# Allegro board 6089-119-RevA_41.brd (continued)
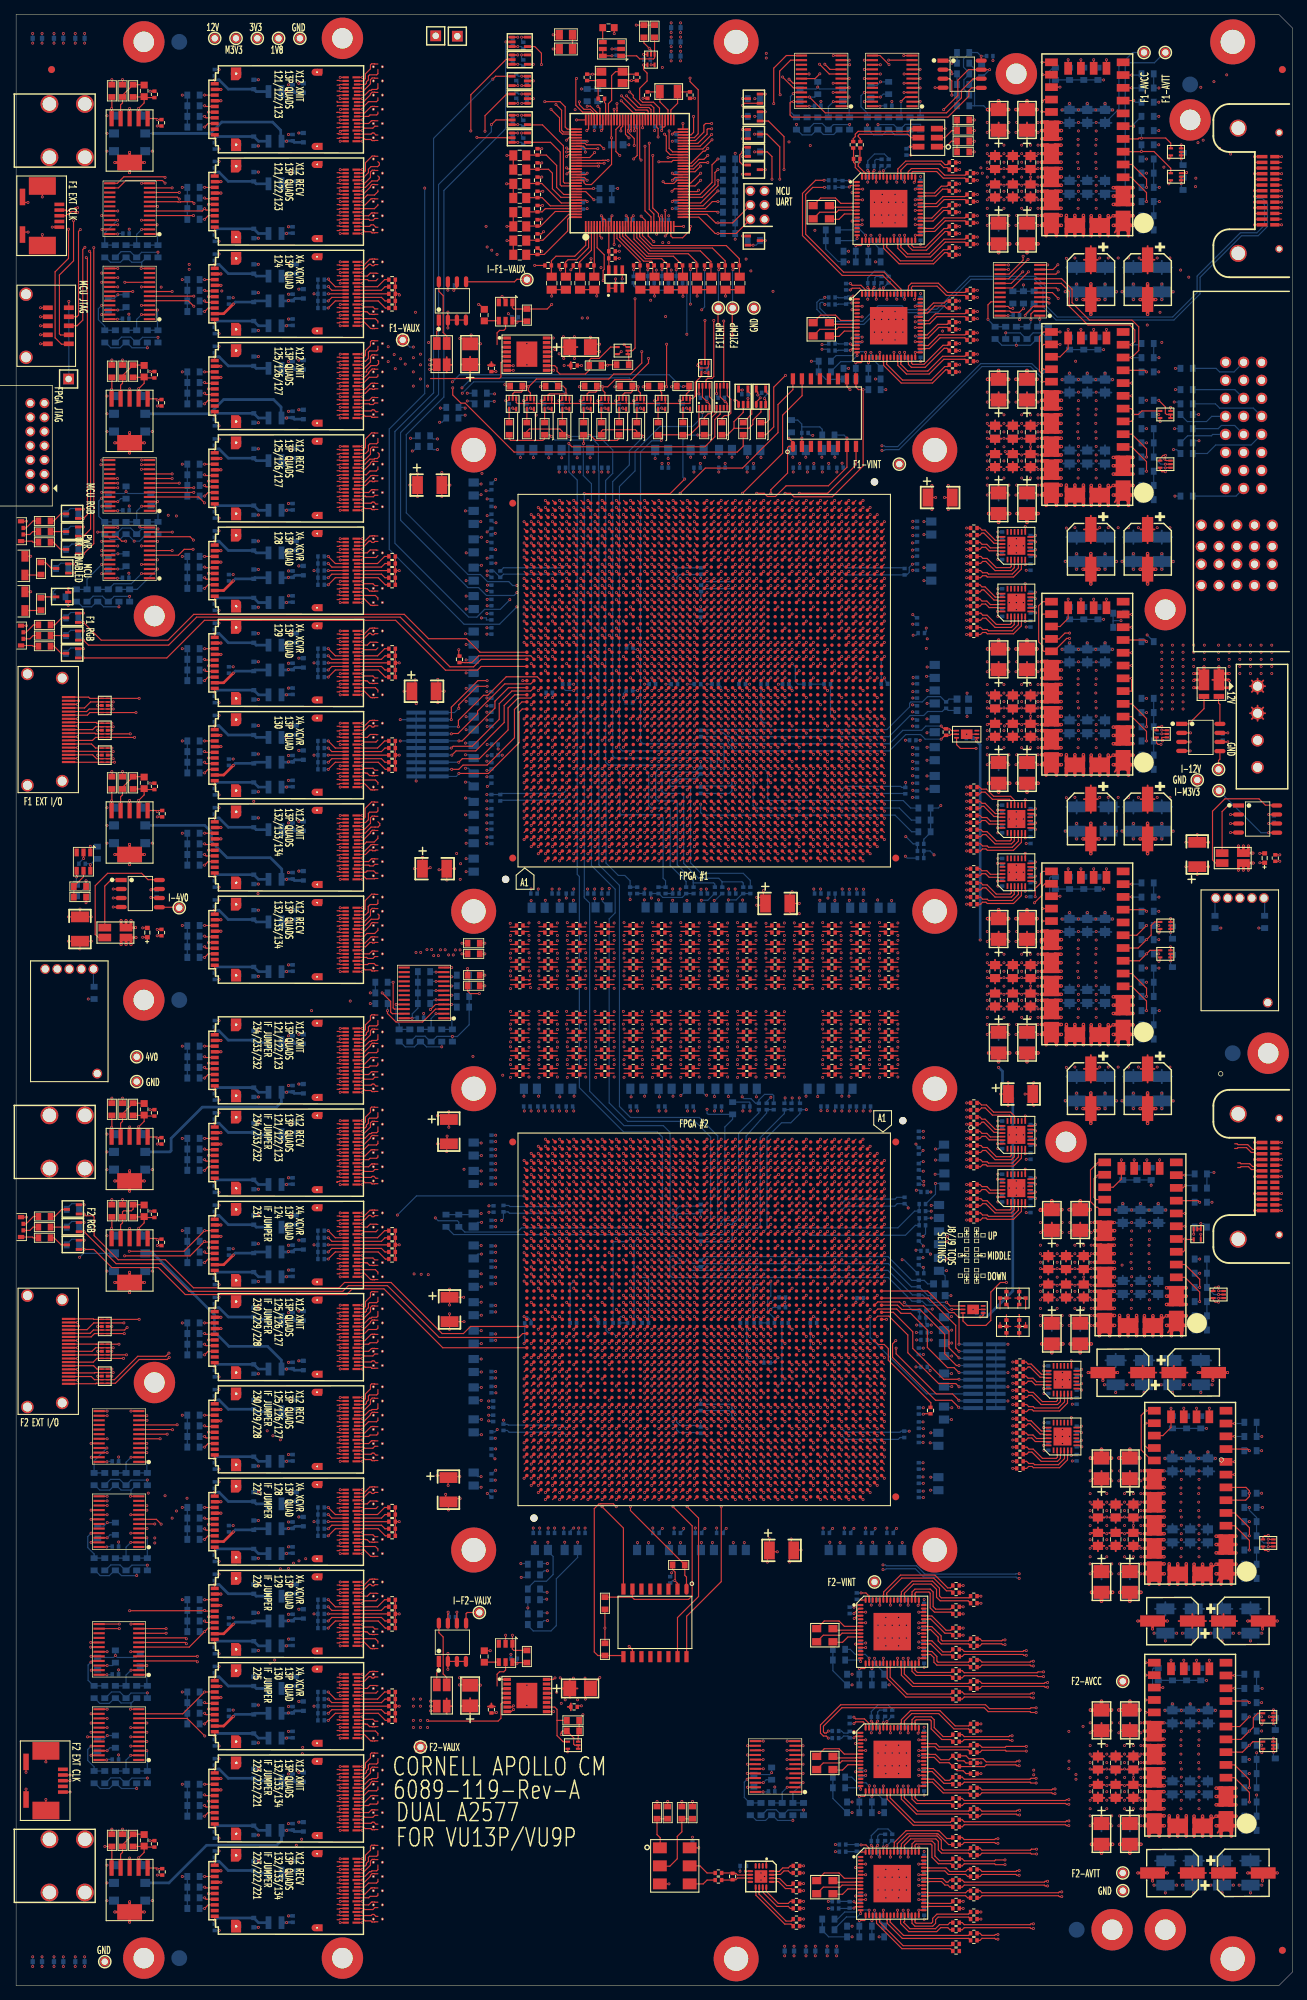
[diagram p0: board, top side]
## Routing (per net, layer and track width the routed paths; a pad name or vN(x,y) marks a point on that pad's centre or on a via; arc(x,y) is an arc through that point) (continued)
 49.95,82.21 ; VA76.3 49.95,82.59 ; VA2.4 52.05,268.59 ; VA2.4 52.05,268.21 ; VA2.4 51.82,268.81 ; VA2.4 51.96,268.08 ; VA2.4 51.63,268.78 ; VA2.4 52.02,268.4 ; VA2.4 51.96,268.72 ; VA2.4 51.63,268.02 ; VA94.4 52.05,30.59 ; VA94.4 51.63,30.78 ; VA94.4 51.63,30.02 ; VA94.4 52.02,30.4 ; VA94.4 51.96,30.72 ; VA94.4 51.82,30.81 ; VA94.4 51.96,30.08 ; VA94.4 52.05,30.21 ; 50.37,101.52 VA67.4 ; VA67.4 50.04,102.22 ; VA67.4 50.04,101.58 ; VA67.4 49.98,101.9 ; VA67.4 50.37,102.28 ; VA67.4 49.95,102.09 ; VA67.4 50.18,101.49 ; VA67.4 49.95,101.71 ; 49.95,216.21 VA24.3 ; VA24.3 49.98,216.4 ; VA24.3 50.37,216.02 ; VA24.3 50.04,216.08 ; VA24.3 50.37,216.78 ; VA24.3 49.95,216.59 ; VA24.3 50.04,216.72 ; VA24.3 50.18,215.99 ; 49.95,43.71 VA89.3 ; VA89.3 50.37,44.28 ; VA89.3 50.04,44.22 ; VA89.3 50.04,43.58 ; VA89.3 49.98,43.9 ; VA89.3 50.37,43.52 ; VA89.3 49.95,44.09 ; VA89.3 50.18,43.49 ; VA66.4 51.96,106.58 ; VA66.4 51.82,107.31 ; VA66.4 52.05,107.09 ; VA66.4 51.63,107.28 ; VA66.4 52.02,106.9 ; VA66.4 52.05,106.71 ; VA66.4 51.63,106.52 ; VA66.4 51.96,107.22 ; 103.12,236.4 PM16.1 ; PM16.1 104,237.28 ; PM16.1 103.33,235.73 ; PM16.1 104.88,236.4 ; PM16.1 104.67,235.73 ; PM16.1 103.33,237.07 ; PM16.1 104,235.52 ; PM16.1 104.67,237.07 ; 50.04,214.72 VA25.3 ; VA25.3 49.95,214.21 ; VA25.3 49.98,214.4 ; VA25.3 50.37,214.78 ; VA25.3 49.95,214.59 ; VA25.3 50.04,214.08 ; VA25.3 50.18,213.99 ; VA25.3 50.37,214.02 ; VA28.4 51.96,208.08 ; VA28.4 51.63,208.78 ; VA28.4 51.63,208.02 ; VA28.4 51.82,208.81 ; VA28.4 52.05,208.21 ; VA28.4 52.02,208.4 ; VA28.4 51.96,208.72 ; VA28.4 52.05,208.59 ; VA43.4 52.05,162.21 ; VA43.4 51.82,162.81 ; VA43.4 51.63,162.02 ; VA43.4 52.02,162.4 ; VA43.4 51.96,162.72 ; VA43.4 51.63,162.78 ; VA43.4 52.05,162.59 ; VA43.4 51.96,162.08 ; 50.18,165.99 VA41.3 ; VA41.3 50.37,166.78 ; VA41.3 50.37,166.02 ; VA41.3 50.04,166.72 ; VA41.3 49.95,166.59 ; VA41.3 50.04,166.08 ; VA41.3 49.98,166.4 ; VA41.3 49.95,166.21 ; 6.83,142.6 U1.3 ; U1.3 6.83,143.94 ; U1.3 8.17,142.6 ; U1.3 7.88,144.14 ; U1.3 7.12,142.4 ; U1.3 7.5,144.14 ; U1.3 8.17,143.94 ; U1.3 7.5,142.39 ; VA40.3 51.96,168.58 ; VA40.3 52.05,168.71 ; VA40.3 51.96,169.22 ; VA40.3 51.82,169.31 ; VA40.3 51.63,169.28 ; VA40.3 51.63,168.52 ; VA40.3 52.02,168.9 ; VA40.3 52.05,169.09 ; VA68.4 50.37,100.28 ; VA68.4 50.04,100.22 ; VA68.4 50.04,99.58 ; VA68.4 49.95,99.71 ; VA68.4 49.95,100.09 ; VA68.4 50.37,99.52 ; VA68.4 49.98,99.9 ; VA68.4 50.18,99.49 ; 50.37,233.52 VA16.4 ; VA16.4 50.18,233.49 ; VA16.4 49.98,233.9 ; VA16.4 49.95,234.09 ; VA16.4 50.37,234.28 ; VA16.4 50.04,234.22 ; VA16.4 49.95,233.71 ; VA16.4 50.04,233.58 ; J6.20 1.6,82.62 ; J6.20 2.4,80.75 ; J6.20 2.66,81.55 ; J6.20 1.6,80.48 ; J6.20 2.05,82.6 ; J6.20 2.4,82.36 ; J6.20 1.15,80.51 ; J6.20 2.64,82 ; VA52.4 51.82,143.81 ; VA52.4 52.05,143.21 ; VA52.4 51.63,143.78 ; VA52.4 51.63,143.02 ; VA52.4 52.05,143.59 ; VA52.4 52.02,143.4 ; VA52.4 51.96,143.08 ; VA52.4 51.96,143.72 ; 50.37,32.02 VA93.3 ; VA93.3 49.95,32.59 ; VA93.3 50.18,31.99 ; VA93.3 49.95,32.21 ; VA93.3 50.04,32.08 ; VA93.3 49.98,32.4 ; VA93.3 50.37,32.78 ; VA93.3 50.04,32.72 ; 50.37,164.02 VA42.3 ; VA42.3 49.95,164.59 ; VA42.3 50.18,163.99 ; VA42.3 50.37,164.78 ; VA42.3 49.95,164.21 ; VA42.3 50.04,164.72 ; VA42.3 49.98,164.4 ; VA42.3 50.04,164.08 ; 49.95,95.21 VA70.3 ; VA70.3 50.04,95.08 ; VA70.3 49.98,95.4 ; VA70.3 50.37,95.78 ; VA70.3 50.04,95.72 ; VA70.3 49.95,95.59 ; VA70.3 50.18,94.99 ; VA70.3 50.37,95.02 ; 50.37,242.52 VA13.3 ; VA13.3 50.37,243.28 ; VA13.3 50.04,243.22 ; VA13.3 50.18,242.49 ; VA13.3 49.98,242.9 ; VA13.3 49.95,242.71 ; VA13.3 50.04,242.58 ; VA13.3 49.95,243.09 ; 50.18,269.99 VA1.3 ; VA1.3 49.95,270.21 ; VA1.3 50.04,270.72 ; VA1.3 50.37,270.02 ; VA1.3 50.37,270.78 ; VA1.3 50.04,270.08 ; VA1.3 49.98,270.4 ; VA1.3 49.95,270.59 ; VA20.4 51.96,225.72 ; VA20.4 51.96,225.08 ; VA20.4 51.63,225.78 ; VA20.4 52.05,225.59 ; VA20.4 52.05,225.21 ; VA20.4 51.63,225.02 ; VA20.4 52.02,225.4 ; VA20.4 51.82,225.81 ; 49.98,28.4 VA95.3 ; VA95.3 50.37,28.02 ; VA95.3 50.04,28.72 ; VA95.3 50.18,27.99 ; VA95.3 50.04,28.08 ; VA95.3 49.95,28.21 ; VA95.3 49.95,28.59 ; VA95.3 50.37,28.78 ; 51.63,22.02 VA98.4 ; VA98.4 51.96,22.72 ; VA98.4 52.02,22.4 ; VA98.4 52.05,22.21 ; VA98.4 52.05,22.59 ; VA98.4 51.63,22.78 ; VA98.4 51.82,22.81 ; VA98.4 51.96,22.08 ; VA79.4 51.96,76.08 ; VA79.4 51.63,76.78 ; VA79.4 52.05,76.59 ; VA79.4 51.82,76.81 ; VA79.4 52.05,76.21 ; VA79.4 51.63,76.02 ; VA79.4 51.96,76.72 ; VA79.4 52.02,76.4 ; VA37.4 51.96,177.58 ; VA37.4 52.05,178.09 ; VA37.4 52.02,177.9 ; VA37.4 51.96,178.22 ; VA37.4 51.63,178.28 ; VA37.4 52.05,177.71 ; VA37.4 51.82,178.31 ; VA37.4 51.63,177.52 ; VA61.4 52.02,119.4 ; VA61.4 52.05,119.21 ; VA61.4 51.96,119.08 ; VA61.4 51.63,119.78 ; VA61.4 51.96,119.72 ; VA61.4 51.82,119.81 ; VA61.4 52.05,119.59 ; VA61.4 51.63,119.02 ; 51.63,156.02 VA46.4 ; VA46.4 51.96,156.72 ; VA46.4 52.02,156.4 ; VA46.4 51.82,156.81 ; VA46.4 51.63,156.78 ; VA46.4 52.05,156.59 ; VA46.4 52.05,156.21 ; VA46.4 51.96,156.08 ; 49.98,11.4 VA103.3 ; VA103.3 49.95,11.59 ; VA103.3 50.37,11.02 ; VA103.3 50.18,10.99 ; VA103.3 50.37,11.78 ; VA103.3 50.04,11.08 ; VA103.3 49.95,11.21 ; VA103.3 50.04,11.72 ; VA5.4 52.05,262.21 ; VA5.4 51.63,262.02 ; VA5.4 52.02,262.4 ; VA5.4 51.82,262.81 ; VA5.4 51.96,262.72 ; VA5.4 51.96,262.08 ; VA5.4 51.63,262.78 ; VA5.4 52.05,262.59 ; 5.69,97.47 J6.22 ; J6.22 6.5,95.6 ; J6.22 7.31,95.86 ; J6.22 7.31,97.47 ; J6.22 7.57,96.66 ; J6.22 5.69,95.86 ; J6.22 5.43,96.66 ; J6.22 6.5,97.73 ; VA31.3 51.63,197.28 ; VA31.3 51.63,196.52 ; VA31.3 52.02,196.9 ; VA31.3 52.05,197.09 ; VA31.3 51.96,197.22 ; VA31.3 52.05,196.71 ; VA31.3 51.96,196.58 ; VA31.3 51.82,197.31 ; 50.37,153.02 VA47.3 ; VA47.3 50.18,152.99 ; VA47.3 49.95,153.59 ; VA47.3 50.04,153.72 ; VA47.3 49.95,153.21 ; VA47.3 50.04,153.08 ; VA47.3 50.37,153.78 ; VA47.3 49.98,153.4 ; VA47.4 52.05,153.59 ; VA47.4 51.63,153.78 ; VA47.4 51.82,153.81 ; VA47.4 51.63,153.02 ; VA47.4 51.96,153.72 ; VA47.4 52.05,153.21 ; VA47.4 51.96,153.08 ; VA47.4 52.02,153.4 ; 49.95,225.59 VA20.3 ; VA20.3 50.18,224.99 ; VA20.3 50.37,225.78 ; VA20.3 50.37,225.02 ; VA20.3 50.04,225.72 ; VA20.3 50.04,225.08 ; VA20.3 49.98,225.4 ; VA20.3 49.95,225.21 ; 50.04,202.22 VA30.3 ; VA30.3 50.37,202.28 ; VA30.3 50.18,201.49 ; VA30.3 49.95,201.71 ; VA30.3 49.98,201.9 ; VA30.3 50.04,201.58 ; VA30.3 49.95,202.09 ; VA30.3 50.37,201.52 ; VA12.4 51.96,247.08 ; VA12.4 51.96,247.72 ; VA12.4 51.63,247.78 ; VA12.4 52.05,247.59 ; VA12.4 52.05,247.21 ; VA12.4 51.63,247.02 ; VA12.4 52.02,247.4 ; VA12.4 51.82,247.81 ; VA9.4 52.02,253.4 ; VA9.4 52.05,253.59 ; VA9.4 52.05,253.21 ; VA9.4 51.96,253.08 ; VA9.4 51.63,253.78 ; VA9.4 51.96,253.72 ; VA9.4 51.82,253.81 ; VA9.4 51.63,253.02 ; VA66.3 50.37,107.28 ; VA66.3 49.98,106.9 ; VA66.3 50.37,106.52 ; VA66.3 50.04,106.58 ; VA66.3 50.18,106.49 ; VA66.3 50.04,107.22 ; VA66.3 49.95,106.71 ; VA66.3 49.95,107.09 ; 51.63,240.52 VA14.4 ; VA14.4 52.05,241.09 ; VA14.4 52.05,240.71 ; VA14.4 51.82,241.31 ; VA14.4 51.96,241.22 ; VA14.4 51.96,240.58 ; VA14.4 51.63,241.28 ; VA14.4 52.02,240.9 ; 50.04,136.08 VA53.3 ; VA53.3 50.04,136.72 ; VA53.3 49.95,136.59 ; VA53.3 50.37,136.78 ; VA53.3 50.18,135.99 ; VA53.3 49.98,136.4 ; VA53.3 49.95,136.21 ; VA53.3 50.37,136.02 ; 5.69,185.07 J5.22 ; J5.22 7.57,184.26 ; J5.22 6.5,183.2 ; J5.22 7.31,183.46 ; J5.22 6.5,185.33 ; J5.22 7.31,185.07 ; J5.22 5.69,183.46 ; J5.22 5.43,184.26 ; VA73.4 51.82,89.81 ; VA73.4 52.05,89.59 ; VA73.4 52.02,89.4 ; VA73.4 51.96,89.72 ; VA73.4 51.96,89.08 ; VA73.4 51.63,89.02 ; VA73.4 51.63,89.78 ; VA73.4 52.05,89.21 ; 50.04,210.72 VA27.3 ; VA27.3 49.98,210.4 ; VA27.3 49.95,210.21 ; VA27.3 50.18,209.99 ; VA27.3 50.37,210.78 ; VA27.3 49.95,210.59 ; VA27.3 50.04,210.08 ; VA27.3 50.37,210.02 ; VA92.4 50.37,35.28 ; VA92.4 50.04,34.58 ; VA92.4 49.95,34.71 ; VA92.4 49.95,35.09 ; VA92.4 49.98,34.9 ; VA92.4 50.04,35.22 ; VA92.4 50.18,34.49 ; VA92.4 50.37,34.52 ; VA26.4 51.96,212.72 ; VA26.4 52.02,212.4 ; VA26.4 51.96,212.08 ; VA26.4 51.63,212.78 ; VA26.4 52.05,212.21 ; VA26.4 51.63,212.02 ; VA26.4 52.05,212.59 ; VA26.4 51.82,212.81 ; 49.95,183.71 VA35.4 ; VA35.4 50.37,184.28 ; VA35.4 50.04,184.22 ; VA35.4 50.18,183.49 ; VA35.4 49.95,184.09 ; VA35.4 50.04,183.58 ; VA35.4 50.37,183.52 ; VA35.4 49.98,183.9 ; VA97.4 51.63,24.78 ; VA97.4 52.05,24.59 ; VA97.4 51.63,24.02 ; VA97.4 51.96,24.08 ; VA97.4 51.96,24.72 ; VA97.4 52.05,24.21 ; VA97.4 52.02,24.4 ; VA97.4 51.82,24.81 ; 49.95,194.71 VA32.4 ; VA32.4 50.04,194.58 ; VA32.4 50.18,194.49 ; VA32.4 49.95,195.09 ; VA32.4 50.37,194.52 ; VA32.4 50.37,195.28 ; VA32.4 49.98,194.9 ; VA32.4 50.04,195.22 ; VA27.4 51.96,210.72 ; VA27.4 52.05,210.21 ; VA27.4 51.63,210.78 ; VA27.4 51.96,210.08 ; VA27.4 51.82,210.81 ; VA27.4 52.05,210.59 ; VA27.4 52.02,210.4 ; VA27.4 51.63,210.02 ; 50.37,221.02 VA22.3 ; VA22.3 49.95,221.59 ; VA22.3 49.95,221.21 ; VA22.3 50.37,221.78 ; VA22.3 50.04,221.08 ; VA22.3 49.98,221.4 ; VA22.3 50.04,221.72 ; VA22.3 50.18,220.99 ; 51.63,158.02 VA45.4 ; VA45.4 51.96,158.08 ; VA45.4 51.63,158.78 ; VA45.4 51.96,158.72 ; VA45.4 52.02,158.4 ; VA45.4 52.05,158.21 ; VA45.4 51.82,158.81 ; VA45.4 52.05,158.59 ; 50.04,123.08 VA59.3 ; VA59.3 50.37,123.78 ; VA59.3 49.95,123.59 ; VA59.3 49.95,123.21 ; VA59.3 50.37,123.02 ; VA59.3 50.18,122.99 ; VA59.3 49.98,123.4 ; VA59.3 50.04,123.72 ; 49.95,229.59 VA18.3 ; VA18.3 49.95,229.21 ; VA18.3 50.04,229.08 ; VA18.3 50.37,229.02 ; VA18.3 49.98,229.4 ; VA18.3 50.18,228.99 ; VA18.3 50.04,229.72 ; VA18.3 50.37,229.78 ; 50.18,217.99 VA23.3 ; VA23.3 50.37,218.78 ; VA23.3 49.95,218.59 ; VA23.3 49.98,218.4 ; VA23.3 50.04,218.08 ; VA23.3 50.37,218.02 ; VA23.3 49.95,218.21 ; VA23.3 50.04,218.72 ; 50.04,19.72 VA99.3 ; VA99.3 50.18,18.99 ; VA99.3 50.37,19.02 ; VA99.3 50.37,19.78 ; VA99.3 49.95,19.21 ; VA99.3 49.95,19.59 ; VA99.3 49.98,19.4 ; VA99.3 50.04,19.08 ; VA69.4 52.02,97.4 ; VA69.4 51.96,97.08 ; VA69.4 52.05,97.59 ; VA69.4 51.96,97.72 ; VA69.4 52.05,97.21 ; VA69.4 51.63,97.02 ; VA69.4 51.82,97.81 ; VA69.4 51.63,97.78 ; VA8.4 52.02,255.4 ; VA8.4 52.05,255.59 ; VA8.4 51.63,255.78 ; VA8.4 51.82,255.81 ; VA8.4 51.96,255.72 ; VA8.4 51.63,255.02 ; VA8.4 52.05,255.21 ; VA8.4 51.96,255.08 ; 49.98,190.9 VA33.3 ; VA33.3 49.95,191.09 ; VA33.3 50.37,191.28 ; VA33.3 50.18,190.49 ; VA33.3 50.04,190.58 ; VA33.3 50.04,191.22 ; VA33.3 49.95,190.71 ; VA33.3 50.37,190.52 ; 51.63,60.52 VA84.3 ; VA84.3 51.96,60.58 ; VA84.3 51.63,61.28 ; VA84.3 52.02,60.9 ; VA84.3 51.82,61.31 ; VA84.3 52.05,61.09 ; VA84.3 52.05,60.71 ; VA84.3 51.96,61.22 ; 49.95,26.21 VA96.3 ; VA96.3 49.98,26.4 ; VA96.3 50.18,25.99 ; VA96.3 50.37,26.78 ; VA96.3 49.95,26.59 ; VA96.3 50.04,26.08 ; VA96.3 50.37,26.02 ; VA96.3 50.04,26.72 ; VA25.4 52.02,214.4 ; VA25.4 51.63,214.78 ; VA25.4 52.05,214.59 ; VA25.4 51.63,214.02 ; VA25.4 52.05,214.21 ; VA25.4 51.96,214.08 ; VA25.4 51.82,214.81 ; VA25.4 51.96,214.72 ; VA65.4 52.05,109.09 ; VA65.4 51.63,108.52 ; VA65.4 51.96,108.58 ; VA65.4 51.82,109.31 ; VA65.4 51.96,109.22 ; VA65.4 51.63,109.28 ; VA65.4 52.05,108.71 ; VA65.4 52.02,108.9 ; VA104.4 52.02,9.4 ; VA104.4 52.05,9.59 ; VA104.4 51.63,9.02 ; VA104.4 51.96,9.72 ; VA104.4 51.63,9.78 ; VA104.4 52.05,9.21 ; VA104.4 51.96,9.08 ; VA104.4 51.82,9.81 ; VA18.4 51.96,229.72 ; VA18.4 51.96,229.08 ; VA18.4 51.82,229.81 ; VA18.4 51.63,229.02 ; VA18.4 52.02,229.4 ; VA18.4 52.05,229.21 ; VA18.4 51.63,229.78 ; VA18.4 52.05,229.59 ; 50.04,170.58 VA39.4 ; VA39.4 49.95,171.09 ; VA39.4 50.04,171.22 ; VA39.4 50.18,170.49 ; VA39.4 50.37,170.52 ; VA39.4 49.95,170.71 ; VA39.4 49.98,170.9 ; VA39.4 50.37,171.28 ; VA76.4 52.02,82.4 ; VA76.4 51.96,82.72 ; VA76.4 52.05,82.21 ; VA76.4 51.63,82.78 ; VA76.4 51.82,82.81 ; VA76.4 52.05,82.59 ; VA76.4 51.96,82.08 ; VA76.4 51.63,82.02 ; 50.18,62.49 VA83.4 ; VA83.4 49.95,62.71 ; VA83.4 50.37,63.28 ; VA83.4 50.37,62.52 ; VA83.4 49.95,63.09 ; VA83.4 49.98,62.9 ; VA83.4 50.04,63.22 ; VA83.4 50.04,62.58 ; 51.63,87.02 VA74.4 ; VA74.4 51.82,87.81 ; VA74.4 52.05,87.21 ; VA74.4 51.96,87.08 ; VA74.4 51.96,87.72 ; VA74.4 52.02,87.4 ; VA74.4 52.05,87.59 ; VA74.4 51.63,87.78 ; 50.18,12.99 VA102.3 ; VA102.3 49.95,13.21 ; VA102.3 50.04,13.72 ; VA102.3 49.98,13.4 ; VA102.3 49.95,13.59 ; VA102.3 50.37,13.02 ; VA102.3 50.04,13.08 ; VA102.3 50.37,13.78 ; VA17.4 52.05,231.21 ; VA17.4 51.82,231.81 ; VA17.4 51.63,231.78 ; VA17.4 51.96,231.72 ; VA17.4 52.05,231.59 ; VA17.4 52.02,231.4 ; VA17.4 51.96,231.08 ; VA17.4 51.63,231.02 ; VA38.4 51.82,176.31 ; VA38.4 52.05,176.09 ; VA38.4 52.02,175.9 ; VA38.4 52.05,175.71 ; VA38.4 51.96,175.58 ; VA38.4 51.63,176.28 ; VA38.4 51.63,175.52 ; VA38.4 51.96,176.22 ; 50.18,120.99 VA60.3 ; VA60.3 50.04,121.72 ; VA60.3 50.04,121.08 ; VA60.3 49.98,121.4 ; VA60.3 50.37,121.02 ; VA60.3 49.95,121.59 ; VA60.3 49.95,121.21 ; VA60.3 50.37,121.78 ; 50.18,254.99 VA8.3 ; VA8.3 50.04,255.08 ; VA8.3 50.37,255.02 ; VA8.3 49.95,255.59 ; VA8.3 49.98,255.4 ; VA8.3 50.37,255.78 ; VA8.3 50.04,255.72 ; VA8.3 49.95,255.21 ; 49.98,128.4 VA57.3 ; VA57.3 50.37,128.02 ; VA57.3 49.95,128.59 ; VA57.3 50.37,128.78 ; VA57.3 50.04,128.72 ; VA57.3 50.18,127.99 ; VA57.3 50.04,128.08 ; VA57.3 49.95,128.21 ; VA72.4 52.05,91.59 ; VA72.4 51.96,91.72 ; VA72.4 52.05,91.21 ; VA72.4 52.02,91.4 ; VA72.4 51.63,91.78 ; VA72.4 51.82,91.81 ; VA72.4 51.63,91.02 ; VA72.4 51.96,91.08 ; VA49.4 51.63,149.78 ; VA49.4 51.82,149.81 ; VA49.4 51.96,149.72 ; VA49.4 52.05,149.59 ; VA49.4 51.96,149.08 ; VA49.4 51.63,149.02 ; VA49.4 52.02,149.4 ; VA49.4 52.05,149.21 ; VA75.4 52.05,84.59 ; VA75.4 51.96,84.08 ; VA75.4 51.63,84.78 ; VA75.4 51.82,84.81 ; VA75.4 52.05,84.21 ; VA75.4 52.02,84.4 ; VA75.4 51.96,84.72 ; VA75.4 51.63,84.02 ; 49.95,212.59 VA26.3 ; VA26.3 49.95,212.21 ; VA26.3 50.04,212.72 ; VA26.3 50.37,212.78 ; VA26.3 50.37,212.02 ; VA26.3 50.18,211.99 ; VA26.3 49.98,212.4 ; VA26.3 50.04,212.08 ; 50.37,22.02 VA98.3 ; VA98.3 50.04,22.08 ; VA98.3 50.37,22.78 ; VA98.3 49.98,22.4 ; VA98.3 50.18,21.99 ; VA98.3 49.95,22.21 ; VA98.3 50.04,22.72 ; VA98.3 49.95,22.59 ; VA82.4 51.63,68.28 ; VA82.4 52.05,68.09 ; VA82.4 52.02,67.9 ; VA82.4 51.96,67.58 ; VA82.4 51.63,67.52 ; VA82.4 51.82,68.31 ; VA82.4 52.05,67.71 ; VA82.4 51.96,68.22 ; 49.95,227.59 VA19.3 ; VA19.3 50.37,227.78 ; VA19.3 50.37,227.02 ; VA19.3 49.98,227.4 ; VA19.3 49.95,227.21 ; VA19.3 50.04,227.08 ; VA19.3 50.18,226.99 ; VA19.3 50.04,227.72 ; 50.37,47.52 VA88.4 ; VA88.4 50.04,48.22 ; VA88.4 50.04,47.58 ; VA88.4 50.18,47.49 ; VA88.4 49.95,48.09 ; VA88.4 49.95,47.71 ; VA88.4 49.98,47.9 ; VA88.4 50.37,48.28 ; VA58.4 52.05,126.59 ; VA58.4 51.96,126.08 ; VA58.4 51.82,126.81 ; VA58.4 51.63,126.02 ; VA58.4 51.96,126.72 ; VA58.4 52.05,126.21 ; VA58.4 51.63,126.78 ; VA58.4 52.02,126.4 ; VA24.4 52.02,216.4 ; VA24.4 52.05,216.21 ; VA24.4 52.05,216.59 ; VA24.4 51.63,216.78 ; VA24.4 51.82,216.81 ; VA24.4 51.63,216.02 ; VA24.4 51.96,216.72 ; VA24.4 51.96,216.08 ; J5.23 2.05,185.89 ; J5.23 2.64,185.3 ; J5.23 1.15,183.8 ; J5.23 2.4,184.04 ; J5.23 2.66,184.85 ; J5.23 1.6,185.92 ; J5.23 2.4,185.65 ; J5.23 1.6,183.78 ; VA30.4 52.05,202.09 ; VA30.4 52.02,201.9 ; VA30.4 51.82,202.31 ; VA30.4 52.05,201.71 ; VA30.4 51.63,201.52 ; VA30.4 51.63,202.28 ; VA30.4 51.96,201.58 ; VA30.4 51.96,202.22 ; 49.98,264.4 VA4.3 ; VA4.3 50.18,263.99 ; VA4.3 50.37,264.78 ; VA4.3 50.04,264.72 ; VA4.3 49.95,264.59 ; VA4.3 49.95,264.21 ; VA4.3 50.37,264.02 ; VA4.3 50.04,264.08 ; 49.95,130.21 VA56.3 ; VA56.3 50.37,130.02 ; VA56.3 50.18,129.99 ; VA56.3 50.37,130.78 ; VA56.3 50.04,130.08 ; VA56.3 50.04,130.72 ; VA56.3 49.95,130.59 ; VA56.3 49.98,130.4 ; 49.95,41.71 VA90.3 ; VA90.3 49.98,41.9 ; VA90.3 49.95,42.09 ; VA90.3 50.04,41.58 ; VA90.3 50.04,42.22 ; VA90.3 50.18,41.49 ; VA90.3 50.37,41.52 ; VA90.3 50.37,42.28 ; 50.04,108.58 VA65.3 ; VA65.3 50.18,108.49 ; VA65.3 50.37,108.52 ; VA65.3 49.95,108.71 ; VA65.3 49.95,109.09 ; VA65.3 49.98,108.9 ; VA65.3 50.37,109.28 ; VA65.3 50.04,109.22 ; VA72.3 50.37,91.78 ; VA72.3 49.98,91.4 ; VA72.3 49.95,91.21 ; VA72.3 50.04,91.08 ; VA72.3 50.18,90.99 ; VA72.3 49.95,91.59 ; VA72.3 50.04,91.72 ; VA72.3 50.37,91.02 ; VA86.4 51.63,55.28 ; VA86.4 51.96,55.22 ; VA86.4 52.02,54.9 ; VA86.4 52.05,55.09 ; VA86.4 51.63,54.52 ; VA86.4 51.96,54.58 ; VA86.4 52.05,54.71 ; VA86.4 51.82,55.31 ; 49.98,54.9 VA86.3 ; VA86.3 50.04,54.58 ; VA86.3 50.37,54.52 ; VA86.3 50.18,54.49 ; VA86.3 49.95,55.09 ; VA86.3 50.04,55.22 ; VA86.3 49.95,54.71 ; VA86.3 50.37,55.28 ; VA102.4 52.02,13.4 ; VA102.4 51.96,13.08 ; VA102.4 52.05,13.21 ; VA102.4 51.63,13.78 ; VA102.4 51.63,13.02 ; VA102.4 51.96,13.72 ; VA102.4 52.05,13.59 ; VA102.4 51.82,13.81 ; 49.95,84.21 VA75.3 ; VA75.3 50.37,84.02 ; VA75.3 50.04,84.72 ; VA75.3 50.04,84.08 ; VA75.3 49.98,84.4 ; VA75.3 50.18,83.99 ; VA75.3 49.95,84.59 ; VA75.3 50.37,84.78 ; 49.95,253.59 VA9.3 ; VA9.3 50.37,253.78 ; VA9.3 50.04,253.08 ; VA9.3 50.37,253.02 ; VA9.3 50.04,253.72 ; VA9.3 49.98,253.4 ; VA9.3 49.95,253.21 ; VA9.3 50.18,252.99 ; 50.04,80.72 VA77.3 ; VA77.3 50.37,80.02 ; VA77.3 50.37,80.78 ; VA77.3 50.04,80.08 ; VA77.3 49.95,80.59 ; VA77.3 50.18,79.99 ; VA77.3 49.98,80.4 ; VA77.3 49.95,80.21 ; J6.21 7.31,82.94 ; J6.21 5.69,81.33 ; J6.21 7.57,82.14 ; J6.21 6.5,83.2 ; J6.21 5.69,82.94 ; J6.21 5.43,82.14 ; J6.21 6.5,81.07 ; J6.21 7.31,81.33 ; VA68.3 51.63,100.28 ; VA68.3 52.02,99.9 ; VA68.3 51.82,100.31 ; VA68.3 51.96,99.58 ; VA68.3 52.05,99.71 ; VA68.3 51.96,100.22 ; VA68.3 51.63,99.52 ; VA68.3 52.05,100.09 ; J5.20 2.4,169.96 ; J5.20 2.4,168.35 ; J5.20 2.66,169.15 ; J5.20 1.15,168.11 ; J5.20 2.05,170.2 ; J5.20 2.64,169.6 ; J5.20 1.6,168.08 ; J5.20 1.6,170.22 ; VA56.4 51.96,130.08 ; VA56.4 52.05,130.21 ; VA56.4 52.02,130.4 ; VA56.4 51.82,130.81 ; VA56.4 51.63,130.78 ; VA56.4 52.05,130.59 ; VA56.4 51.96,130.72 ; VA56.4 51.63,130.02 ; 51.63,183.52 VA35.3 ; VA35.3 51.82,184.31 ; VA35.3 52.05,184.09 ; VA35.3 52.05,183.71 ; VA35.3 51.96,183.58 ; VA35.3 52.02,183.9 ; VA35.3 51.96,184.22 ; VA35.3 51.63,184.28 ; 50.04,268.72 VA2.3 ; VA2.3 50.37,268.78 ; VA2.3 50.04,268.08 ; VA2.3 50.37,268.02 ; VA2.3 50.18,267.99 ; VA2.3 49.98,268.4 ; VA2.3 49.95,268.59 ; VA2.3 49.95,268.21 ; VA42.4 51.96,164.08 ; VA42.4 51.82,164.81 ; VA42.4 51.63,164.02 ; VA42.4 51.96,164.72 ; VA42.4 52.05,164.21 ; VA42.4 52.02,164.4 ; VA42.4 52.05,164.59 ; VA42.4 51.63,164.78 ; VA101.4 52.02,15.4 ; VA101.4 52.05,15.59 ; VA101.4 51.96,15.72 ; VA101.4 51.82,15.81 ; VA101.4 51.63,15.78 ; VA101.4 51.63,15.02 ; VA101.4 52.05,15.21 ; VA101.4 51.96,15.08